# Allegro board SG2042_EVB_V2_0.brd (continued)
## Routing (per net, layer and track width the routed paths; a pad name or vN(x,y) marks a point on that pad's centre or on a via; arc(x,y) is an arc through that point) (continued)
VDDIO18: length 461.8
  TOP w0.203: v1(220.7,278.89) U2.M4 U2.N4 U2.P3 v1(221.7,280.89) ; U2.P5 v1(220.2,281.61) ; U2.C6 v1(219.2,275.39)
  TOP w0.254: U12.10 217.83,129.95 218.08,129.69 223.03,129.69 ; R12928.2 R12926.2 v1(45.34,136.25) ; R12947.1 R12950.1 v1(36.4,282.12) ; U814.2 42.23,239.4 ; 42.23,239.4 C3290.1 v1(43.94,238.79) ; 42.23,239.4 37.28,239.4 37.03,239.65 U814.10 ; R2544.2 v1(189.31,294.89) ; R2547.2 v1(189.31,295.76) ; R101.2 v1(230.96,267.89) ; R99.2 v1(230.96,276.89) ; R111.2 v1(40.41,282.12) ; 70.19,150.16 U2010.2 ; 70.19,150.16 75.14,150.16 75.39,149.91 U2010.10 ; 70.19,150.16 C3282.2 v1(68.48,150.77) ; R357.2 C1234.1 v1(228.7,256.77) ; R19.2 v1(200.81,247.27) R22.2 ; R2548.2 v1(189.31,296.62) ; v1(43.94,252.96) C3281.2 42.23,253.57 ; U807.2 207.27,237.62 ; 207.27,237.62 C3279.2 v1(205.56,238.23) ; 207.27,237.62 212.22,237.62 212.48,237.36 U807.10 ; 125.43,267.06 123.7,267.06 122.83,266.19 R470.2 ; 125.43,267.06 R161.2 ; 125.43,267.06 v1(127.46,267.06) ; R12948.1 v1(152.96,288.32) ; 197.69,234.55 197.69,239.5 197.94,239.75 U806.10 ; 197.69,234.55 C3280.2 v1(197.08,232.84) ; 197.69,234.55 U806.2 ; 108.58,266.45 108.58,266.8 108.84,267.06 v1(110.62,267.06) ; R20.2 v1(200.81,243.54) R21.2 ; v1(224.74,129.08) C3277.2 223.03,129.69 ; 42.23,253.57 U2003.2 ; 42.23,253.57 37.28,253.57 37.03,253.82 U2003.10 ; R1263.2 v1(210.01,263.7) ; R112.2 v1(43.61,280.39) ; R109.2 v1(40.41,280.39) ; R105.1 v1(230.96,281.05) ; U2006.2 v1(214.44,129.72) ; v1(205.13,18.8) R12732.2 R12740.2 ; R12737.2 R12728.2 v1(225.98,289.38) ; U2006.10 v1(209.24,129.72) ; R113.2 v1(43.61,282.12) ; R1264.2 v1(205.74,263.7) ; C587.2 117.37,172.24 ; C587.2 116.94,171.81 ; C587.2 116.94,172.67 ; 223.03,111.2 C3278.2 v1(224.74,110.59) ; 223.03,111.2 U14.2 ; 223.03,111.2 218.08,111.2 217.83,111.46 U14.10 ; v1(115.24,267.06) 113.46,267.06 113.21,266.8 R107.2 ; R38.2 214.17,282.04 219.76,282.04 v1(220.2,281.61) ; R106.2 v1(40.41,278.66) ; R116.2 v1(43.61,278.66) ; 223.03,129.69 U12.2 ; R12743.2 R12735.2 v1(183.34,18.8) ; R104.2 v1(40.41,276.94) ; R98.2 v1(230.96,278.97) ; R12949.1 v1(36.4,276.94) ; 230.96,274.19 v1(230.96,274.8) ; 116.79,172.98 U13.A2 117.09,173.28 ; U2018.2 v1(214.44,113.59) ; R2302.2 v1(223.6,175.49) ; R108.2 v1(43.61,276.94) ; R1266.2 v1(208.74,249.89) ; U2018.10 v1(209.24,113.59)
  TOP w0.381: U1.BG11 v1(98.75,202.05) ; U1.AY42 v1(130.75,209.05) ; X3.4 127.46,264.41 C583.2 C582.2 v1(127.46,267.06) ; R115.2 v1(195.05,278.66) ; v1(210.21,251.31) C3146.2 209.6,251.87 209.14,252.32 U813.8 ; X1.4 115.24,264.41 C576.2 C575.2 v1(115.24,267.06) ; U1.AP42 v1(130.75,215.05) ; R24.2 v1(195.05,280.39) ; U1.BB15 v1(102.75,207.05) ; U1.BF11 v1(98.75,203.05) ; v1(110.62,267.06) C579.2 C580.2 110.62,264.41 X2.4 ; R2301.2 v1(191.8,278.66) ; U1.AP15 v1(102.75,215.05) ; R470.2 122.83,264.41 X4.4 ; U1.AY15 v1(102.75,209.05) ; R114.2 v1(198.3,280.39) ; R150.2 v1(191.8,276.94) ; U1.BD15 v1(102.75,205.05) ; U1.AV15 v1(102.75,211.05) ; U1.AT42 v1(130.75,213.05) ; R156.2 v1(198.3,278.66) ; R110.2 v1(198.3,276.94) ; U1.AV42 v1(130.75,211.05) ; R23.2 v1(195.05,276.94) ; R147.2 v1(188.54,280.39) ; R117.2 v1(188.54,278.66) ; R143.2 v1(188.54,276.94) ; U1.BB42 v1(130.75,207.05) ; U1.AT15 v1(102.75,213.05) ; R153.2 v1(191.8,280.39)
  ART03 w0.254: v1(223.6,175.49) 224.49,174.6 v1(238,174.6)
  ART03 w0.381: v1(152.96,288.32) 153.29,287.99 153.29,285.19 135.15,267.06 v1(127.46,267.06) v1(115.24,267.06) v1(110.62,267.06) ; v1(224.74,129.08) 223.9,128.24 223.9,118.29 225.3,116.89 225.3,111.15 v1(224.74,110.59)
  ART05 w0.381: 188.82,288.34 188.82,294.41 v1(189.31,294.89) v1(189.31,295.76) v1(189.31,296.62) ; v1(209.24,129.72) v1(214.44,129.72) 224.1,129.72 v1(224.74,129.08) ; v1(209.24,113.59) v1(214.44,113.59) 217.44,110.59 v1(224.74,110.59) ; v1(205.13,18.8) v1(183.34,18.8) 181.36,20.78 152.98,20.78 142.29,31.47 134.87,31.47 v1(133.73,32.61)
  ART12 w0.381: v1(205.13,18.8) 222.35,18.8 ; v1(225.98,289.38) 225.98,281.86
  ART14 w0.203: v1(228.7,256.77) 225.53,256.77 223.42,258.88 220.62,258.88 v1(219.13,257.38)
  ART14 w0.381: v1(45.34,136.25) 45.34,138.13 56.77,149.56 67.26,149.56 v1(68.48,150.77) ; v1(189.31,294.89) v1(189.31,295.76) v1(189.31,296.62)
  BOTTOM w0.254: R208.2 R202.2 R201.2 R200.2 R199.2 R198.2 R197.2 R196.2 v1(43.59,257.94) ; v1(133.73,32.61) R2067.2 R2066.2 ; R34.1 R31.1 R32.1 R33.1 C540.2 218.97,275.17 v1(219.2,275.39) ; R40.1 220.7,279.7 v1(220.7,278.89)
  BOTTOM w0.381: v1(220.2,281.61) 220.1,281.51 C538.2 ; C1477.2 v1(102.75,215.05) ; C1484.2 v1(130.75,215.05) ; C1479.2 v1(102.75,213.05) ; C1480.2 v1(102.75,211.05) ; C1478.2 v1(130.75,211.05) ; C1481.2 v1(102.75,209.05) ; FB5.1 v1(130.75,225.05) ; C1487.2 v1(130.75,207.05) ; C1473.2 100.75,203.05 ; 100.75,203.05 C1471.2 ; 100.75,203.05 C1472.2 ; C1483.2 v1(102.75,205.05) ; C539.2 220.7,278.89 v1(220.7,278.89) ; v1(98.75,202.05) C1474.2 v1(98.75,203.05) ; v1(98.75,202.05) C1475.2 ; v1(98.75,202.05) C1476.2 ; C1482.2 v1(102.75,207.05) ; 221.62,281.51 221.62,280.97 v1(221.7,280.89) ; C1485.2 v1(130.75,213.05) ; C1486.2 v1(130.75,209.05) ; FB6.1 v1(102.75,225.05)
  vias: v1(101.25,203.55) v1(101.25,202.55) v1(104.83,167.34) v1(104.83,166.78) v1(104.83,166.22) v1(105.38,167.34) v1(105.38,166.78) v1(111.66,174.19) v1(111.66,173.63) v1(111.66,173.08) v1(112.25,207.55) v1(113.25,208.55) v1(113.25,207.55) v1(115.24,175.69) v1(115.24,175.16) v1(116.25,207.55) v1(117.42,173.18) v1(117.42,172.62) v1(127.94,164.08) v1(127.94,163.53) v1(127.94,162.97) v1(218.06,257.38) v1(218.06,256.84) v1(218.59,257.38) v1(218.59,256.84) v1(219.13,256.84)
VDDIO33: length 15.7
  TOP w0.254: v1(228.7,263.4) C3163.1 R1351.2 ; R588.2 v1(45.49,301.5) ; U5.A2 21.16,278.89 C536.2 R45.2 v1(21.16,281.23)
  ART14 w0.203: v1(219.13,264.01) 220.62,265.51 223.42,265.51 225.53,263.4 v1(228.7,263.4)
  vias: v1(114.05,173.02) v1(114.05,172.47) v1(114.25,207.55) v1(115.25,208.55) v1(115.25,207.55) v1(215.39,281.25) v1(215.95,281.25) v1(218.06,264.01) v1(218.06,263.47) v1(218.59,264.01) v1(218.59,263.47) v1(219.13,263.47)
VDDIO_CLK_DDR0: length 2.2
  TOP w0.381: U1.AG41 v1(129.75,223.05)
  BOTTOM w0.381: C594.2 v1(129.75,223.05) FB5.2
VDDIO_CLK_DDR1: length 2.2
  TOP w0.381: U1.AG16 v1(103.75,223.05)
  BOTTOM w0.381: FB6.2 v1(103.75,223.05) C590.2
VDDIO_DPLL0: length 2.2
  TOP w0.381: U1.AJ41 v1(129.75,221.05)
  BOTTOM w0.381: C592.2 v1(129.75,221.05) FB7.2
VDDIO_DPLL1: length 2.2
  TOP w0.381: U1.AJ16 v1(103.75,221.05)
  BOTTOM w0.381: C600.2 v1(103.75,221.05) FB9.2
VDDIO_FPLL: length 1.8
  TOP w0.254: C604.2 FB11.2 ; C604.2 120.85,171.22 ; C604.2 121.29,170.79
  vias: v1(119.25,208.55) v1(120.85,171.4) v1(121.46,170.76)
VDDIO_MPLL: length 1.8
  TOP w0.254: C602.2 FB10.2 ; C602.2 118.82,171.22 ; C602.2 119.25,170.79
  vias: v1(118.25,208.55) v1(118.82,171.4) v1(119.43,170.76)
768_HDMI_HPG: length 8.2
  TOP w0.102: R12956.1 R12957.2 v1(199.11,105.64) ; U3273.U6 v1(193.08,105.23)
  BOTTOM w0.102: v1(199.11,105.64) 199.1,105.63 193.48,105.63 v1(193.08,105.23)
768_HDMI_SCL: length 240.7
  TOP w0.102: U3274.1 204.01,100.58 R12964.2 v1(204.9,100.3) ; J2047.H15 12.21,178.82 18.34,178.82 21.64,175.51 23.84,175.51 D610.2 24.76,175.51 v1(25.7,176.45)
  ART05 w0.102: v1(25.7,176.45) 26.11,176.86 30.79,176.86 33.17,174.48 33.17,165.41 37.37,161.21 42.78,161.21 43.3,160.7 43.3,158.42 43.33,158.38 43.33,158.38 67.57,134.14 159.14,134.14 178.06,115.21 196.79,115.21 200.15,111.85 200.15,102.29 202.14,100.3 v1(204.9,100.3)
768_HDMI_SCL_GPIO8: length 10
  TOP w0.102: U3274.4 201.12,100.58 R12963.2 v1(200.23,100.3) ; U3273.K6 v1(193.08,98.85)
  BOTTOM w0.102: v1(193.08,98.85) 198.77,98.85 v1(200.23,100.3)
768_HDMI_SDA: length 245.2
  TOP w0.102: v1(204.9,97.76) R12965.2 204.01,97.48 U3274.8 ; v1(26.34,176.45) 24.8,174.91 D611.2 23.55,175.21 21.51,175.21 18.21,178.51 12.42,178.51 12.28,178.38 11.52,178.38 10.77,179.13 J2047.H16
  ART05 w0.102: v1(204.9,97.76) 204.62,98.04 204.11,98.04 199.95,102.21 199.95,111.77 196.71,115.01 177.98,115.01 159.05,133.93 67.49,133.93 43.13,158.29 43.13,158.3 43.09,158.34 43.09,160.62 42.7,161.01 37.29,161.01 32.97,165.33 32.97,174.4 30.71,176.66 26.54,176.66 v1(26.34,176.45)
768_HDMI_SDA_GPIO9: length 9.5
  TOP w0.102: U3273.J6 v1(193.08,98.05) ; v1(200.23,97.76) R12962.2 201.12,97.48 U3274.5
  BOTTOM w0.102: v1(200.23,97.76) 199.95,98.05 v1(193.08,98.05)
2812_SCL: length 0.9
  TOP w0.102: R12504.2 R12507.2
2812_SDA: length 0.9
  TOP w0.102: R12503.2 R12508.2
68127_SCL: length 198.8
  TOP w0.102: J201.2 187.99,296.19 190.3,296.19 R2548.1 191.08,296.62 UNK68127_SCL.1 192.25,297.19 193.51,295.94 195.53,295.94 195.73,296.14 U202.18
  ART05 w0.102: v1(44.63,254.53) 44.96,254.86 44.96,288.87 58.85,302.77 181.41,302.77 J201.2
  BOTTOM w0.102: R12920.1 v1(44.63,254.53)
68127_SDA: length 199.3
  TOP w0.102: J201.3 187.53,295.33 190.3,295.33 R2547.1 UNK68127_SDA.1 192.28,295.73 197.3,295.73 U202.19
  ART05 w0.102: J201.3 179.07,302.56 58.94,302.56 45.16,288.79 45.16,254.51 v1(44.63,253.97)
  BOTTOM w0.102: R12921.1 42.67,253.97 v1(44.63,253.97)
A_USBC1_3V3: length 14.5
  TOP w0.203: U3241.32 v1(29.43,147.14) ; U3241.6 v1(22.38,152.99)
  ART14 w0.381: v1(22.38,152.99) 23.24,152.13 23.24,149.17 24.33,148.08 28.49,148.08 v1(29.43,147.14)
  BOTTOM w0.381: v1(22.38,152.99) 22.38,152.98 C5895.1 22.99,153.85 FB2043.1
A_USBC2_3V3: length 14.5
  TOP w0.203: U3259.6 v1(216.38,163.46) ; U3259.32 v1(223.43,157.61)
  ART14 w0.381: v1(216.38,163.46) 217.25,162.59 217.25,159.64 218.34,158.55 222.49,158.55 v1(223.43,157.61)
  BOTTOM w0.381: v1(216.38,163.46) 216.39,163.45 C6063.1 216.99,164.31 FB2047.1
AMON: length 2.4
  TOP w0.102: U3273.Y23 C6192.1
ASM281_3.3V_SUS: length 19.3
  TOP w0.254: v1(157.51,96.16) R12507.1 R12508.1
  TOP w0.381: v1(154.86,88.21) U3235.D5 v1(154.06,88.21) U3235.E5 v1(153.26,88.21) U3235.F5 v1(152.46,88.21) U3235.G5
  ART14 w0.254: v1(157.51,96.16) 154.86,93.52 v1(154.86,88.21)
  BOTTOM w0.254: C5741.1 v1(154.86,88.21) ; C5741.1 154.25,88.83 ; C5741.1 C5740.1 ; C5740.1 154.25,89.69 ; C5740.1 C5739.1 ; C5739.1 154.25,90.55 ; C5739.1 154.87,91.16
ASM1061_1V25: length 9.7
  TOP w0.254: v1(218.14,70.9) U3237.7 ; v1(226.47,70.9) U3237.30 ; U3237.43 v1(222.05,75.31) ; U3237.12 218.21,68.4 v1(218.14,68.32) ; v1(218.14,68.9) U3237.11 ; U3237.48 v1(219.55,75.31) ; v1(226.47,68.4) U3237.25
  BOTTOM w0.254: C5853.1 219.56,75.3 v1(219.55,75.31) ; v1(226.47,68.4) 226.46,68.4 C5843.1 ; C5845.1 218.28,69.04 v1(218.14,68.9) ; v1(226.47,70.9) 226.46,70.89 C5842.1 ; C5844.1 218.28,68.17 v1(218.14,68.32) ; C5850.1 218.14,70.89 v1(218.14,70.9) ; C5851.1 222.22,75.07 222.17,75.12 222.17,75.19 v1(222.05,75.31)
  vias: v1(219.55,75.87)
ASM1061_3V3: length 15.2
  TOP w0.254: v1(226.47,73.9) U3237.36 ; v1(218.14,69.9) U3237.9 ; R12557.1 v1(221.51,81.18) 220.89,81.8 LED501.A ; U3237.19 v1(222.55,66.98) ; R12555.1 221.55,76.49 221.55,75.39 v1(221.47,75.31) 221.55,75.23 U3237.44
  TOP w0.381: U3238.8 230.38,82.45 230,82.07 v1(230,81.18) U3238.7 ; v1(222.3,79.71) 222.33,79.68 C5860.1 223.14,79.91 U3238.3
  BOTTOM w0.254: C5848.1 226.46,73.89 v1(226.47,73.9) ; v1(218.14,69.9) 218.14,69.9 C5846.1 ; v1(222.55,66.98) 222.55,66.98 C5854.1 ; C5847.1 221.36,75.2 v1(221.47,75.31)
  vias: v1(215.29,71.65) v1(215.85,71.65)
ASM2812_1P05V: length 47.1
  TOP w0.381: U3235.E6 v1(154.06,87.41) U3235.E7 v1(154.06,86.61) U3235.E8 ; U3235.U13 v1(143.66,82.61) ; U3235.J9 v1(150.86,85.81) ; U3235.B6 v1(156.46,87.41) U3235.B7 v1(156.46,86.61) U3235.B8 ; U3235.P18 v1(146.06,77.81) ; U3235.F6 v1(153.26,87.41) U3235.F7 v1(153.26,86.61) U3235.F8 ; U3235.U16 v1(143.66,79.41) ; U3235.U17 v1(143.66,78.61) ; U3235.D6 v1(154.86,87.41) U3235.D7 v1(154.86,86.61) U3235.D8 ; U3235.J15 v1(150.86,80.21) ; U3235.U9 v1(143.66,85.81) ; U3235.U8 v1(143.66,86.61) ; U3235.U14 v1(143.66,81.01) ; U3235.N8 v1(147.66,86.61) ; U3235.C8 v1(155.66,86.61) U3235.C7 v1(155.66,87.41) U3235.C6 ; U3235.J8 v1(150.86,86.61) ; U3235.J14 v1(150.86,81.01) ; U3235.P8 v1(146.06,86.61) ; U3235.L18 v1(149.26,77.81) ; U3235.J11 v1(150.86,84.21) ; U3235.M18 v1(148.46,77.81) ; U3235.R18 v1(145.26,77.81) ; U3235.A6 v1(157.26,87.41) U3235.A7 v1(157.26,86.61) U3235.A8 ; U3235.U15 v1(143.66,80.21) ; U3235.J10 v1(150.86,85.01)
  BOTTOM w0.254: v1(146.06,77.81) 146.1,77.78 C5718.1 ; C5718.1 146.56,77.19 ; C5718.1 C5717.1 145.24,77.79 v1(145.26,77.81) ; C5715.1 C5716.1 143.56,78.51 v1(143.66,78.61) ; C5715.1 143.62,79.38 v1(143.66,79.41) ; C5715.1 C5714.1 ; v1(143.66,80.21) 143.64,80.24 C5714.1 ; C5707.1 151.49,81.53 ; C5707.1 151.05,81.1 ; C5707.1 151.49,80.67 ; 146.08,86.79 C5709.1 146.51,87.22 ; 154.51,85.83 C5702.1 ; C5702.1 C5701.1 ; C5702.1 154.94,86.26 ; C5712.1 143.65,82.63 v1(143.66,82.61) ; 151.74,86.79 C5704.1 ; C5704.1 C5703.1 150.88,86.79 ; C5704.1 152.17,87.22 ; C5705.1 151.49,84.81 ; C5705.1 151.49,86.11 ; C5705.1 151.05,85.67 ; C5701.1 156.24,85.83 ; C5701.1 155.8,86.26 ; C5696.1 157.1,87.58 v1(157.26,87.41) ; v1(143.66,85.81) 143.63,85.78 C5711.1 ; 151.49,84.68 C5706.1 151.05,84.25 ; 147.22,87.22 C5708.1 147.65,86.79 ; v1(148.46,77.81) 148.51,77.76 C5719.1 C5720.1 149.38,77.7 v1(149.26,77.81) ; C5710.1 143.64,86.64 v1(143.66,86.61) ; C5714.1 C5713.1 143.57,81.1 v1(143.66,81.01)
  vias: v1(162.64,76.45) v1(162.64,75.9) v1(162.64,75.34) v1(163.19,77.01) v1(163.19,76.45) v1(163.19,75.9) v1(163.19,75.34) v1(163.75,77.01) v1(163.75,76.45)
ASM2812_2P5V: length 36.8
  TOP w0.381: U3235.AC12 v1(138.86,82.61) U3235.AC13 v1(138.86,81.81) U3235.AC14 ; U3235.AD14 v1(138.06,81.81) U3235.AD13 v1(138.06,82.61) U3235.AD12 ; U3235.J16 v1(150.86,79.41) ; U3235.E11 v1(153.26,84.21) ; U3235.L8 v1(149.26,86.61) ; U3235.AE12 v1(137.26,82.61) U3235.AE13 v1(137.26,81.81) U3235.AE14 ; U3235.K8 v1(150.06,86.61) ; U3235.T8 v1(144.46,86.61) ; U3235.AB14 v1(139.66,81.81) U3235.AB13 v1(139.66,82.61) U3235.AB12 ; U3235.J18 v1(150.86,77.81) ; U3235.U18 v1(143.66,77.81) ; U3235.J17 v1(150.86,78.61) ; U3235.K18 v1(150.06,77.81) ; U3235.AF14 v1(136.46,81.81) U3235.AF13 v1(136.46,82.61) U3235.AF12 ; U3235.N18 v1(147.66,77.81) ; U3235.R8 v1(145.26,86.61) ; U3235.AA16 v1(140.46,80.21) U3235.AA15 v1(140.46,81.01) U3235.AA14 v1(140.46,81.81) U3235.AA13 v1(140.46,82.61) U3235.AA12 ; U3235.E12 v1(153.26,83.41) ; U3235.U10 v1(143.66,85.01) ; U3235.T18 v1(144.46,77.81) ; U3235.M8 v1(148.46,86.61)
  BOTTOM w0.254: C5728.1 150.96,78.51 v1(150.86,78.61) ; C5728.1 151.49,78.08 ; C5728.1 151.49,78.94 ; 144.25,86.79 C5723.1 ; C5723.1 143.81,87.22 ; C5723.1 C5724.1 ; 143.84,84.84 C5722.1 143.41,84.4 ; 148.84,86.79 C5725.1 ; C5725.1 C5726.1 ; C5725.1 148.41,87.22 ; 153.26,84.38 C5731.1 152.83,84.81 ; 149.71,86.79 C5726.1 ; C5726.1 150.14,87.22 ; 141.05,80.26 C5721.1 140.61,79.83 ; 145.11,86.79 C5724.1 ; C5724.1 145.54,87.22 ; v1(147.66,77.81) 147.65,77.8 C5730.1 ; 150.04,77.19 C5727.1 ; C5727.1 150.47,77.62 ; C5727.1 150.9,77.19 ; C5729.1 144.09,77.62 ; C5729.1 143.66,77.19 ; C5729.1 144.53,77.19
ASM2812_PCIE_RX0_N: length 14.9
  TOP w0.114: C443.2 v1(151.89,101.37) ; U3235.G4 v1(151.66,89.01)
  ART14 w0.124: v1(151.89,101.37) 153.27,99.99 arc(153.48,99.67) 153.56,99.29 153.56,95.17 arc(153.49,94.79) 153.27,94.47 151.9,93.1 arc(151.63,92.7) 151.54,92.22 151.54,89.58 151.71,89.41 151.71,89.06 v1(151.66,89.01)
ASM2812_PCIE_RX0_P: length 15
  TOP w0.114: C441.2 v1(152.5,101.37) ; U3235.F4 v1(152.46,89.01)
  ART14 w0.124: v1(152.5,101.37) 152.5,101.23 arc(152.52,101.13) 152.58,101.04 153.45,100.17 arc(153.72,99.77) 153.81,99.29 153.81,95.17 arc(153.72,94.69) 153.45,94.29 152.08,92.92 arc(151.86,92.6) 151.79,92.22 151.79,89.69 v1(152.46,89.01)
ASM2812_PCIE_RX1_N: length 10.1
  TOP w0.114: C439.2 v1(152.5,97.82) ; U3235.J3 v1(150.86,90.61)
  ART14 w0.124: v1(152.5,97.82) 152.08,97.39 arc(152.01,97.24) 152.08,97.09 arc(152.14,96.93) 152.08,96.78 152,96.71 arc(151.85,96.64) 151.7,96.71 arc(151.55,96.77) 151.39,96.71 151.19,96.5 arc(150.92,96.1) 150.83,95.62 150.83,94.12 arc(150.74,93.71) 150.51,93.36 150.43,93.28 arc(150.25,93.01) 150.19,92.7 150.19,90.99 arc(150.22,90.85) 150.29,90.74 150.31,90.72 arc(150.43,90.64) 150.57,90.61 v1(150.86,90.61)
ASM2812_PCIE_RX1_P: length 10.1
  TOP w0.114: U3235.H3 v1(150.86,89.81) ; C437.2 v1(151.89,97.82)
  ART14 w0.124: v1(151.89,97.82) 151.89,97.68 arc(151.87,97.57) 151.81,97.48 150.94,96.61 arc(150.67,96.2) 150.57,95.73 150.57,94.12 arc(150.51,93.81) 150.33,93.54 150.25,93.46 arc(150.02,93.11) 149.94,92.7 149.94,90.99 arc(149.98,90.76) 150.11,90.56 v1(150.86,89.81)
ASM2812_PCIE_RX2_N: length 14.6
  TOP w0.114: C435.2 v1(147.8,101.37) ; U3235.L4 v1(148.46,89.01)
  ART14 w0.124: v1(148.46,89.01) 148.51,89.06 148.51,89.41 148.34,89.58 148.34,93.03 arc(148.43,93.51) 148.7,93.91 149.18,94.39 arc(149.4,94.71) 149.47,95.1 149.47,99.29 arc(149.4,99.67) 149.18,99.99 v1(147.8,101.37)
ASM2812_PCIE_RX2_P: length 14.6
  TOP w0.114: U3235.K4 v1(149.26,89.01) ; C433.2 v1(148.41,101.37)
  ART14 w0.124: v1(148.41,101.37) 148.41,101.23 arc(148.43,101.13) 148.49,101.04 149.36,100.17 arc(149.63,99.77) 149.72,99.29 149.72,95.1 arc(149.63,94.62) 149.36,94.21 148.88,93.74 arc(148.66,93.41) 148.59,93.03 148.59,89.69 v1(149.26,89.01)
